# Altium PCB RMP_MAIN_SINGLE.PcbDoc
Units mil, origin at the board's own origin, x right, y up, seen from the top; angles counter-clockwise.
Board outline 6354.55 x 2700 mil, 2 copper layers (Top Layer, Bottom Layer); 110 components, 0 nets, 446 pads, 68 vias.
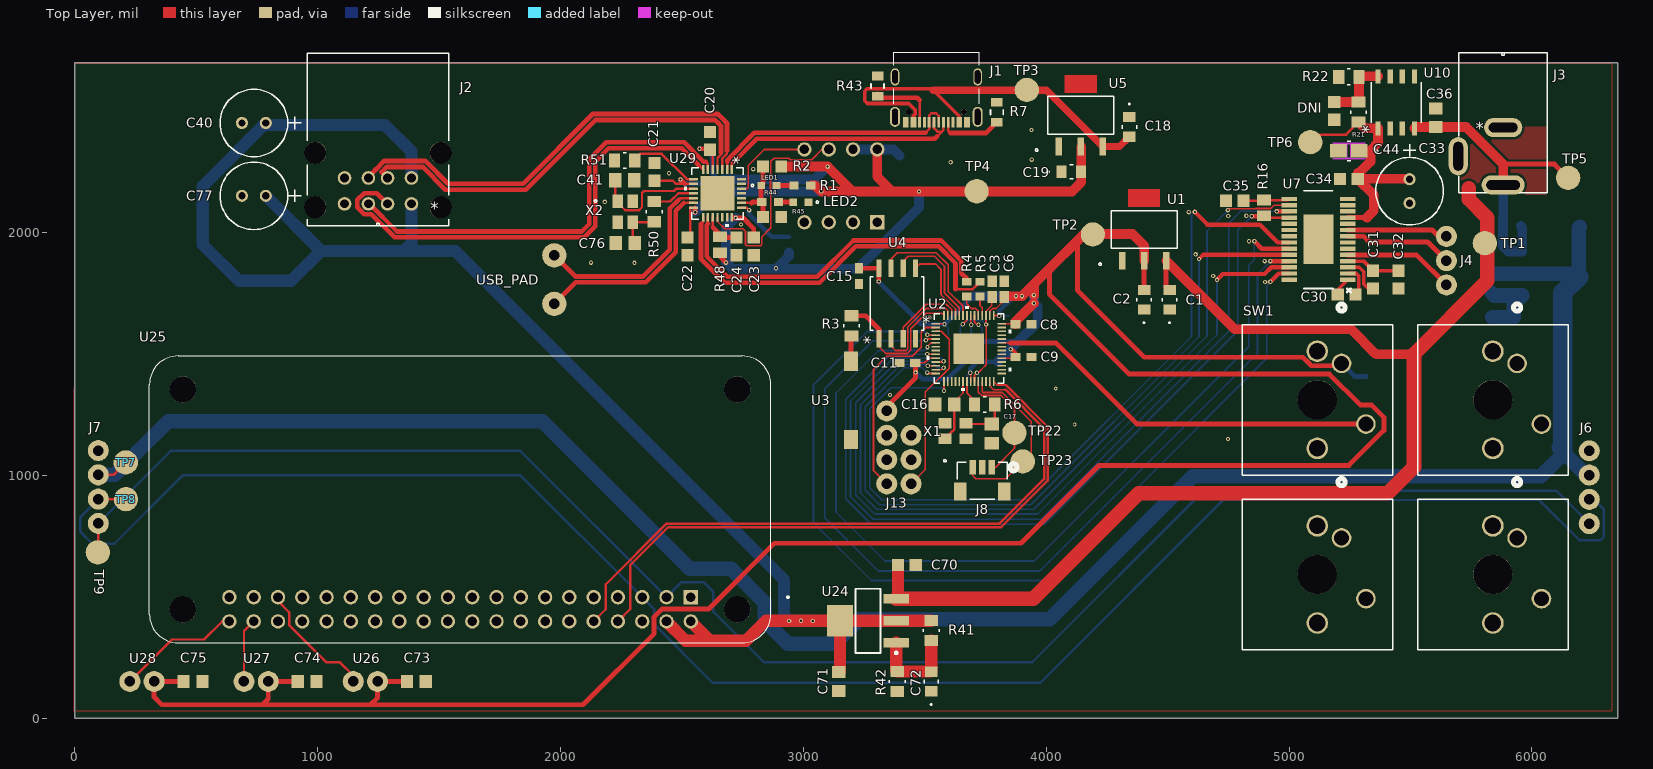
[diagram p0: Top Layer view]
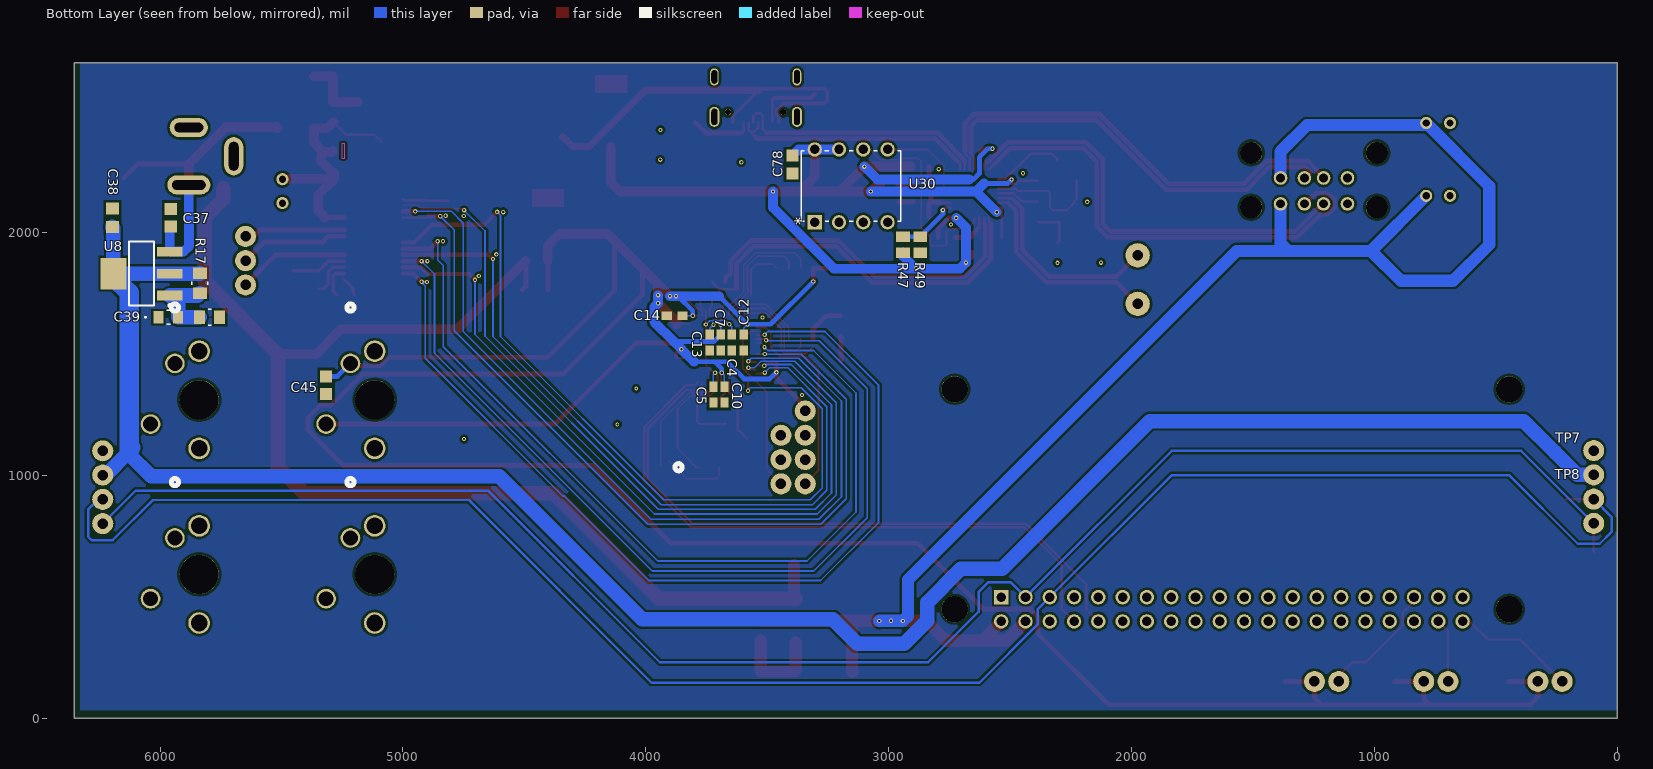
[diagram p1: Bottom Layer view, seen from below]

## Layer stack, top to bottom
Top Solder: solder mask 0.4, Solder Resist, Dk 3.5
Top Layer: signal copper 1.4
Dielectric 1: dielectric 12.6, FR-4, Dk 4.8
Bottom Layer: signal copper 1.4
Bottom Solder: solder mask 0.4, Solder Resist, Dk 3.5

## Board outline
0,0 6354.55,0 6354.55,2700 0,2700

## Design rules (kind name [scope] priority, off if disabled: settings)
Clearance [All] p1: gap=10 ignorepadtopadclearanceinfootprint=FALSE
PolygonConnect [All] p1: connectstyle=Relief reliefconductorwidth=10 reliefentries=4 polygonreliefangle="90 Angle" airgapwidth=10
RoutingVias [All] p1: holewidth=28 width=50 viastyle="Through Hole" minholewidth=28 minwidth=50 maxholewidth=28 maxwidth=50
SolderMaskExpansion [All] p1: expansion=4 istentingtop=FALSE
Width [All] p1: maxlimit=10 minlimit=10 preferedwidth=10
30 further rules are at their usual default settings.

## Components (designator, comment, footprint, x,y, rotation, side; value= is the part's Value field where it differs from the comment)
C1 "GRM21BR61C106KE15K" G-21_MUR-M 4508.27,1724.33 r90 top value="10u F"
C2 "GRM21BR61C106KE15K" G-21_MUR-M 4403.27,1724.33 r90 top value="10u F"
C3 "C0603C105K4RACTU" CAPC17595_90N_KEM-M 3777.27,1768.45 r270 top value=1uF
C4 "CC0603KRX7R7BB104" CC0603N_YAG-M 3646.27,1548.33 r90 bottom value=100nF
C5 "CC0603KRX7R7BB104" CC0603N_YAG-M 3721.27,1333.33 r90 bottom value=100nF
C6 "C0603C105K4RACTU" CAPC17595_90N_KEM-M 3827.27,1768.45 r90 top value=1uF
C7 "CC0603KRX7R7BB104" CC0603N_YAG-M 3691.27,1548.33 r90 bottom value=100nF
C8 "CC0603KRX7R7BB104" CC0603N_YAG-M 3906.27,1623.33 r180 top value=100nF
C9 "CC0603KRX7R7BB104" CC0603N_YAG-M 3906.27,1488.33 r180 top value=100nF
C10 "CC0603KRX7R7BB104" CC0603N_YAG-M 3676.27,1333.33 r90 bottom value=100nF
C11 "CC0603KRX7R7BB104" CC0603N_YAG-M 3428.27,1464.33 r0 top value=100nF
C12 "CC0603KRX7R7BB104" CC0603N_YAG-M 3596.27,1548.33 r90 bottom value=100nF
C13 "CC0603KRX7R7BB104" CC0603N_YAG-M 3736.27,1548.33 r90 bottom value=100nF
C14 "CC0603KRX7R7BB104" CC0603N_YAG-M 3881.27,1658.33 r180 bottom value=100nF
C15 "CC0603KRX7R7BB104" CC0603N_YAG-M 3229.27,1821.33 r90 top value=100nF
C16 "CC0805FRNPO9BN150" CAP_CC0805_YAG-M 3581.27,1293.33 r0 top value=15pF
C17 "CC0805FRNPO9BN150" CAP_CC0805_YAG-M 3776.27,1173.33 r270 top value=15pF
C18 "GRM21BR61C106KE15K" G-21_MUR-M 4342.27,2436.33 r270 top value="10u F"
C19 "GRM21BR61C106KE15K" G-21_MUR-M 4103.27,2251.33 r0 top value="10u F"
C20 "CC0805KRX7R9BB104" CC0805N_YAG-M 2615.27,2378.33 r90 top value="0.1u F"
C21 "CC0805KRX7R9BB104" CC0805N_YAG-M 2387.33,2250.76 r90 top value="0.1u F"
C22 "CC0805KRX7R9BB104" CC0805N_YAG-M 2523.27,1944.33 r270 top value="0.1u F"
C23 "CC0805KRX7R9BB104" CC0805N_YAG-M 2795.46,1944.06 r270 top value="0.1u F"
C24 "CC0805KRX7R9BB104" CC0805N_YAG-M 2724.56,1944.06 r90 top value=0.1uF
C30 "CC0805KRX7R9BB153" CC0805N_YAG-M 5237.27,1745.33 r180 top value="0.015u F"
C31 "CC0805KRX7R9BB104" CC0805N_YAG-M 5346.27,1807.33 r270 top value="0.1u F"
C32 "CC0805KRX7R9BB104" CC0805N_YAG-M 5451.27,1807.33 r90 top value="0.1u F"
C33 "35YXJ100M6.3X11" CAP_YX_6P3X11_RUB 5496.27,2220.75 r270 top value="100u F"
C34 "CC0805KRX7R9BB104" CC0805N_YAG-M 5246.27,2222.33 r0 top value="0.1u F"
C35 "CC0805KKX7R8BB474" CC0805N_YAG-M 4776.27,2132.33 r0 top value="0.47u F"
C36 "CL21B105KAFNNNE" CAP_CL21B105KAFNNNE_SAM-M 5603.52,2474.04 r270 top value="1u F"
C37 "CC0805KRX7R9BB104" CC0805N_YAG-M 5956.27,2062.33 r270 bottom value=0.1uF
C38 "CL21B105KAFNNNE" CAP_CL21B105KAFNNNE_SAM-M 6196.27,2062.33 r270 bottom value="1u F"
C39 "GRM21BR61C106KE15K" G-21_MUR-M 5966.27,1652.33 r180 bottom value="10u F"
C40 "35YXJ100M6.3X11" CAP_YX_6P3X11_RUB 786.27,2452.33 r180 top value=100uF
C41 "CC0805FRNPO9BN150" CAP_CC0805_YAG-M 2264.21,2217.08 r180 top value=15pF
C44 "TAJA475K016RNJ" TAJA_AVX-M 5246.27,2337.33 r180 top value=4.7uF
C45 "CC0805KRX7R9BB104" CC0805N_YAG-M 5316.27,1372.33 r90 bottom value=0.1uF
C70 "CC0805KRX7R9BB104" CC0805N_YAG-M 3426.27,632.33 r180 top value=0.1uF
C71 "CL21B105KAFNNNE" CAP_CL21B105KAFNNNE_SAM-M 3146.27,152.33 r90 top value="1u F"
C72 "GRM21BR61C106KE15K" G-21_MUR-M 3526.27,152.33 r90 top value="10u F"
C73 "CL21B105KAFNNNE" CAP_CL21B105KAFNNNE_SAM-M 1406.27,152.33 r0 top value="1u F"
C74 "CL21B105KAFNNNE" CAP_CL21B105KAFNNNE_SAM-M 956.27,152.33 r0 top value="1u F"
C75 "CL21B105KAFNNNE" CAP_CL21B105KAFNNNE_SAM-M 486.27,152.33 r0 top value="1u F"
C76 "CC0805FRNPO9BN150" CAP_CC0805_YAG-M 2265.99,1958.02 r180 top value=15pF
C77 "35YXJ100M6.3X11" CAP_YX_6P3X11_RUB 786.27,2152.33 r180 top value=100uF
C78 "CC0805KRX7R9BB104" CC0805N_YAG-M 3396.27,2281.33 r270 bottom value=0.1uF
DNI "CC0805KRX7R9BB104" CC0805N_YAG-M 5186.27,2502.33 r90 top value=0.1uF
J1 "12402012E212A" AMPHENOL_12402012E212A 3547.49,2642.21 r180 top
J2 "AU-Y1008-2" CONN_AU-Y1008-2_ASM 1385.94,2119.19 r180 top
J3 "PJ-002B" PJ-002B_CUI 5881.77,2197.26 r0 top
J4 "MOTOR_HEADER" 3PINHEADER 5648.27,1785.33 r180 top
J6 "I2C_BUS_PINS" "4 PIN HEADER" 6236.27,1102.33 r0 top
J7 "I2C_BUS_PINS" "4 PIN HEADER" 96.27,1103.33 r0 top
J8 "BM03B-SRSS-TBLFSN" CONN_BM03B-SRSS-TBLFSN_JST 3736.27,978.33 r0 top
J13 "Mag_encoder_header" 8PinHeader 3343.27,1266.33 r0 top
LED1 "B1931NG--20D001114U1930" LED_B1931NG_HVK 2857.58,2195.31 r0 top
LED2 "B1931NG--20D001114U1930" LED_B1931NG_HVK 2989.7,2126.37 r180 top
R1 "RC0603FR-07169RL" RC0603N_YAG-M 2995.7,2195.31 r180 top
R2 "RC0805FR-07100KL" RC0805N_YAG-M 2871.15,2272.77 r0 top value="100K ohm"
R3 "RNCF0805DTE1K00" RES_RNCF0805_STP-M 3198.06,1617.06 r90 top value="1k ohm"
R4 "MCT06030C2742FP500" RESC1508X55N 3672.27,1768.45 r90 top value="27.4k ohm"
R5 "MCT06030C2742FP500" RESC1508X55N 3727.27,1768.45 r90 top value="27.4k ohm"
R6 "RNCF0805DTE1K00" RES_RNCF0805_STP-M 3746.27,1293.33 r180 top value="1k ohm"
R7 "RT0805FRE075K1L" FP-RT0805-MFG 3796.27,2496.33 r90 top value=5.1KΩ
R16 "RNCP0805FTD10K0" STA_RNCP0805_STP-M 4896.27,2102.33 r270 top value="10k ohm"
R17 "RNCF0805DTE120R" RES_RNCF0805_STP-M 5836.27,1792.33 r90 bottom value="120 ohm"
R18 "RNCF0805DTE360R" RES_RNCF0805_STP-M 5796.27,1652.33 r0 bottom value="360 ohm"
R21 "RNCF0805DTE1K00" RES_RNCF0805_STP-M 5286.27,2497.33 r270 top value="1k ohm"
R22 "RNCF0805DTE5K60" RES_RNCF0805_STP-M 5246.27,2642.33 r0 top value="5.6k ohm"
R41 "RNCF0805DTE120R" RES_RNCF0805_STP-M 3526.27,362.33 r90 top value="120 ohm"
R42 "RNCF0805DTE360R" RES_RNCF0805_STP-M 3386.27,152.33 r90 top value="360 ohm"
R43 "RT0805FRE075K1L" FP-RT0805-MFG 3305.27,2604.33 r90 top value=5.1KΩ
R44 "RC0603FR-07169RL" RC0603N_YAG-M 2863.15,2127.38 r0 top
R45 "RC0805FR-07100KL" RC0805N_YAG-M 2871.15,2065.94 r180 top value="100K ohm"
R47 "RNCP0805FTD10K0" STA_RNCP0805_STP-M 2940.76,1951.06 r270 bottom value="10k ohm"
R48 "RNCP0805FTD10K0" STA_RNCP0805_STP-M 2657.16,1951.06 r270 top value="10k ohm"
R49 "RNCP0805FTD10K0" STA_RNCP0805_STP-M 2869.86,1951.06 r90 bottom value=DNI
R50 "RNCF0805DTE1K00" RES_RNCF0805_STP-M 2385.61,2087.37 r270 top value="1k ohm"
R51 "RLC73K2AR649FTD" RES_RNCF0805_STP-M 2264.21,2298.03 r0 top value="649 ohm"
SW1 "mx_switches_knob" KNOB_SWITCHES 5116.27,1312.33 r270 top
TP1 "TestPoint" TESTPOINT#1 5806.27,1957.33 r0 top
TP2 "TestPoint" TESTPOINT#1 4192.27,1993.33 r0 top
TP3 "TestPoint" TESTPOINT#1 3920.27,2588.33 r0 top
TP4 "TestPoint" TESTPOINT#1 3713.27,2171.33 r0 top
TP5 "TestPoint" TESTPOINT#1 6149.27,2226.33 r0 top
TP6 "TestPoint" TESTPOINT#1 5087.27,2373.33 r0 top
TP7 "TestPoint" TESTPOINT#2 209.27,1054.33 r180 bottom
TP8 "TestPoint" TESTPOINT#2 210.27,903.33 r180 bottom
TP9 "TestPoint" TESTPOINT#1 94.27,684.33 r270 top
TP22 "TestPoint" Testpoint 3869.27,1176.33 r90 top
TP23 "TestPoint" Testpoint 3903.27,1058.33 r90 top
U1 "NCP1117LPST33T3G" SOT223-3_ONS-M 4403.27,2014.33 r0 top
U2 "SC091413" QFN56_7X7_RPI-M 3681.27,1523.33 r0 top
U3 "PTS636SM43SMTR LFS" "PTS636SM43SMTR LFS" 3196.27,1108.96 r90 top
U4 "W25Q128JVSIQ" SOIC_128JVSIQ_WIN-M 3386.27,1708.33 r90 top
U5 "NCP1117LPST33T3G" SOT223-3_ONS-M 4142.27,2484.33 r0 top
U7 "DRV8313PWPR" PWP0028F_M 5121.19,1973.08 r180 top
U8 "LM317DCYR" DCY0004A_M 6076.27,1832.33 r0 bottom
U10 "LDL212DR" SO8B_4X5X1P27_STM 5441.27,2537.33 r90 top
U24 "LM317DCYR" DCY0004A_M 3266.27,402.33 r180 top
U25 "RASPBERRY_PI_ZERO_2_W" MODULE_RASPBERRY_PI_ZERO_2_W 1586.27,902.33 r180 top
U26 "LOW_PROFILE_SWITCH" 2PINHEADER 1246.27,152.33 r270 top
U27 "LOW_PROFILE_SWITCH" 2PINHEADER 796.27,152.33 r270 top
U28 "LOW_PROFILE_SWITCH" 2PINHEADER 326.27,152.33 r270 top
U29 "CY7C65632-28LTXC" QFN-28-M 2646.27,2162.33 r270 top
U30 "AT24C02D-PUM" PDIP8_300MC_MCH 3304.27,2043.33 r90 bottom
USB_PAD "USB_PAD" USB_PAD 1974.27,1707.33 r0 top
X1 "ABM8-272-T3" ABM8-272-T3_ABR 3626.27,1183.33 r90 top
X2 "ABM8-272-T3" ABM8-272-T3_ABR 2265.99,2087.37 r0 top

## Footprints (in the part's own frame and the unit in brackets; to place one, negate y for a bottom-side part, rotate by r counter-clockwise, add the part's x,y. Pads: shape width x height; smd on the part's side, far side on the other; paste and mask are expansions set on the pad)
2PINHEADER [mm]
  round 2.2 hole 1.1: 1(0,0) 2(0,-2.54)
3PINHEADER [mm]
  round 2.2 hole 1.1: 1(0,0) 2(0,-2.54) 3(0,-5.08)
"4 PIN HEADER" [mm]
  round 2.2 hole 1.1: 1(0,0) 2(0,-2.54) 3(0,-5.08) 4(0,-7.62)
8PinHeader [mm]
  round 2.2 hole 1.1: 1(0,0) 2(0,-2.54) 3(0,-5.08) 4(0,-7.62) 5(2.54,-7.62) 6(2.54,-5.08) 7(2.54,-2.54)
ABM8-272-T3_ABR [mm]
  rect 1.1x1.4 smd paste+0 mask+0: 1(-0.8,1.1) 2(-0.8,-1.1) 3(0.8,-1.1) 4(0.8,1.1)
  silkscreen extent -3.23,0.97 -2.97,1.23, body extent -1.35,-1.7 1.35,1.7, height 0.76
AMPHENOL_12402012E212A [mm]
  rect 0.6x1.14 smd: A1-B12(-3.2,4.75) A4-B9(-2.4,4.75) B1-A12(3.2,4.75) B4-A9(2.4,4.75)
  rect 0.3x1.14 smd: A5(-1.25,4.75) A6(-0.25,4.75) A7(0.25,4.75) A8(1.25,4.75) B5(1.75,4.75) B6(0.75,4.75) B7(-0.75,4.75) B8(-1.75,4.75)
  oval 1.05x2.1 hole 0.6 slot 1.7 at 90 deg: SH1(-4.32,4.18) SH2(4.32,4.18)
  oval 0.9x1.8 hole 0.6 slot 1.4 at 90 deg: SH3(-4.32,0) SH4(4.32,0)
  round 0.65 hole 0.65 unplated: ""(-2.89,3.68) ""(2.89,3.68)
  silkscreen extent -4.47,-2.6 4.47,2.81, body extent -4.47,-2.54 4.47,5.06, height 3.23
CAP_CC0805_YAG-M [mil]
  rect 52x59 smd paste+0 mask+0: 1(-39.31,0) 2(39.31,0)
  body extent -43,-29 43,29, height 57
CAP_CL21B105KAFNNNE_SAM-M [mil]
  rect 50x55 smd paste+0 mask+0: 1(-38.5,0) 2(38.5,0)
  body extent -41,-26 41,26, height 53
CAP_YX_6P3X11_RUB [mil]
  round 50 / inner round 60 / far side round 50 hole 30 paste-99999 mask+0: 1(0,0) 2(98.43,0)
  silkscreen extent -145,-139 188,139, body extent -85,-134 184,134, height 493
CAPC17595_90N_KEM-M [mil]
  rect 47.59x39.4 smd paste+0 mask+0: 1(-32.65,0) 2(32.65,0)
  body extent -34,-19 34,19, height 35
CC0603N_YAG-M [mil]
  rect 42x34 smd paste+0 mask+0: 1(-32.5,0) 2(32.5,0)
  body extent -31,-16 31,16, height 28
CC0805N_YAG-M [mil]
  rect 50x50 smd paste+0 mask+0: 1(-36.5,0) 2(36.5,0)
  body extent -39,-24 39,24, height 28
CONN_AU-Y1008-2_ASM [mil]
  round 56 / inner round 60 / far side round 56 hole 36 paste-99999 mask+0: 1(0,0) 2(98.43,0) 3(177.17,0) 4(275.59,0) 5(0,-106.69) 6(98.43,-106.69) 7(177.17,-106.69) 8(275.59,-106.69)
  round 91 / inner round 60 / far side round 91 hole 91 unplated paste-99999 mask-45.5: 9(-120.87,-209.84) 10(396.46,-209.84) 11(-120.87,13.78) 12(396.46,13.78)
  silkscreen extent -153,-621 428,90, body extent -165,-616 441,73, height 636
CONN_BM03B-SRSS-TBLFSN_JST [mil]
  rect 26x61 smd paste+0 mask+0: 1(39.37,56.24) 2(0,56.24) 3(-39.37,56.24)
  rect 51x75 smd paste-37.5 mask-37.5: 4(-90.55,-43.17) 5(90.55,-43.17)
  silkscreen extent -104,-76 144,76, body extent -98,-71 98,71, height 167
DCY0004A_M [mm]
  rect 2.7x1 smd paste-0.102 mask+0.051: 1(-2.95,2.3) 2(-2.95,0) 3(-2.95,-2.3)
  rect 2.7x3.3 smd paste-0.102 mask+0.051: 4(2.95,0)
  silkscreen extent -3.07,-3.35 1.3,3.47, body extent -3.5,-3.25 3.5,3.25, height 1.68
FP-RT0805-MFG [mm]
  rect 0.9x1.2 smd paste+0 mask+0: 1(-1.05,0) 2(1.05,0)
  silkscreen extent -0.23,-0.67 0.23,0.67, body extent -1.6,-0.77 1.6,0.77, height 0.25
G-21_MUR-M [mil]
  rect 42x51 smd paste+0 mask+0: 1(-40.5,0) 2(40.5,0)
  silkscreen extent -97,-30 7,30, body extent -39,-24 39,24, height 57
KNOB_SWITCHES [mil]
  round 81 / inner round 60 / far side round 81 hole 61 paste-99999 mask+0: 1(-150,100) 2(100,200) ""(-150,823) ""(100,923) ""(569,823) ""(569,100) ""(819,923) ""(819,200)
  round 161 / inner round 60 / far side round 161 hole 161 unplated paste-99999 mask-80.5: 3(0,0) ""(0,723) ""(719,723) ""(719,0)
  round 89 / inner round 60 / far side round 89 hole 69 paste-99999 mask-44.5: 4(-200,0) 5(200,0) ""(-200,723) ""(200,723) ""(519,723) ""(519,0) ""(919,723) ""(919,0)
  silkscreen extent -395,-310 1029,1033, body extent -275,-308 994,1029, height 604
LED_B1931NG_HVK [mil]
  rect 32x30 smd paste+0 mask+0: 1(-31.5,0) 2(31.5,0)
  silkscreen extent -72,-5 -62,5, body extent -31,-16 31,16, height 16
MODULE_RASPBERRY_PI_ZERO_2_W [mm]
  rect 1.508x1.508 / inner round 1.508 / far side rect 1.508x1.508 hole 1: 1(-24.13,10.23)
  round 1.508 hole 1: 2(-24.13,12.77) 3(-21.59,10.23) 4(-21.59,12.77) 5(-19.05,10.23) 6(-19.05,12.77) 7(-16.51,10.23) 8(-16.51,12.77) 9(-13.97,10.23) 10(-13.97,12.77) 11(-11.43,10.23) 12(-11.43,12.77) 13(-8.89,10.23) 14(-8.89,12.77) 15(-6.35,10.23) 16(-6.35,12.77) 17(-3.81,10.23) 18(-3.81,12.77) 19(-1.27,10.23) 20(-1.27,12.77) 21(1.27,10.23) 22(1.27,12.77) 23(3.81,10.23) 24(3.81,12.77) 25(6.35,10.23) 26(6.35,12.77) 27(8.89,10.23) 28(8.89,12.77) 29(11.43,10.23) 30(11.43,12.77) 31(13.97,10.23) 32(13.97,12.77) 33(16.51,10.23) 34(16.51,12.77) 35(19.05,10.23) 36(19.05,12.77) 37(21.59,10.23) 38(21.59,12.77) 39(24.13,10.23) 40(24.13,12.77)
  round 2.75 hole 2.75 unplated: ""(-29,-11.5) ""(-29,11.5) ""(29,-11.5) ""(29,11.5)
  silkscreen extent -34.39,-15 32.5,15
PDIP8_300MC_MCH [mil]
  rect 59x59 / inner round 60 / far side rect 59x59 hole 39 paste-99999 mask+0: 1(0,0)
  round 59 / inner round 60 / far side round 59 hole 39 paste-99999 mask+0: 2(0,-100) 3(0,-200) 4(0,-300) 5(300,-300) 6(300,-200) 7(300,-100) 8(300,0)
  silkscreen extent 5,-355 295,55, body extent -5,-350 315,50, height 215
PJ-002B_CUI [mm]
  oval 4.5x2 hole 1 slot 3.5 at 0 deg paste-2539.97 mask+0: 1(0,0)
  oval 4x2 hole 1 slot 3 at 0 deg paste-2539.97 mask+0: 2(0,6)
  oval 2x4 hole 1 slot 3 at 90 deg paste-2539.97 mask+0: 3(-4.7,3)
  silkscreen extent -4.62,-0.83 4.62,13.83, body extent -4.9,-0.7 4.5,13.7, height 11.01
"PTS636SM43SMTR LFS" [mm] "SWITCH TACTILE SPST-NO 0.05A 12V"
  rect 2x1.5 smd: 1(1,0) 2(9.2,0)
  body extent 0.8,-1.75 9.4,1.75, height 4.3
PWP0028F_M [mm]
  rect 1.6x0.45 smd paste+0 mask+0.051: 1(-3.05,4.225) 2(-3.05,3.575) 3(-3.05,2.925) 4(-3.05,2.275) 5(-3.05,1.625) 6(-3.05,0.975) 7(-3.05,0.325) 8(-3.05,-0.325) 9(-3.05,-0.975) 10(-3.05,-1.625) 11(-3.05,-2.275) 12(-3.05,-2.925) 13(-3.05,-3.575) 14(-3.05,-4.225) 15(3.05,-4.225) 16(3.05,-3.575) 17(3.05,-2.925) 18(3.05,-2.275) 19(3.05,-1.625) 20(3.05,-0.975) 21(3.05,-0.325) 22(3.05,0.325) 23(3.05,0.975) 24(3.05,1.625) 25(3.05,2.275) 26(3.05,2.925) 27(3.05,3.575) 28(3.05,4.225)
  rect 3.1x5.18 smd paste+0 mask+0.051: 29(0,0)
  silkscreen extent -3.37,-5.08 1.52,5.52, body extent -3.2,-4.85 3.2,4.85, height 1.13
QFN56_7X7_RPI-M [mil]
  rect 36x7 smd paste+0 mask+0: 1(-136,102.36) 2(-136,86.61) 3(-136,70.87) 4(-136,55.12) 5(-136,39.37) 6(-136,23.62) 7(-136,7.87) 8(-136,-7.87) 9(-136,-23.62) 10(-136,-39.37) 11(-136,-55.12) 12(-136,-70.87) 13(-136,-86.61) 14(-136,-102.36) 29(136,-102.36) 30(136,-86.61) 31(136,-70.87) 32(136,-55.12) 33(136,-39.37) 34(136,-23.62) 35(136,-7.87) 36(136,7.87) 37(136,23.62) 38(136,39.37) 39(136,55.12) 40(136,70.87) 41(136,86.61) 42(136,102.36)
  rect 7x36 smd paste+0 mask+0: 15(-102.36,-136) 16(-86.61,-136) 17(-70.87,-136) 18(-55.12,-136) 19(-39.37,-136) 20(-23.62,-136) 21(-7.87,-136) 22(7.87,-136) 23(23.62,-136) 24(39.37,-136) 25(55.12,-136) 26(70.87,-136) 27(86.61,-136) 28(102.36,-136) 43(102.36,136) 44(86.61,136) 45(70.87,136) 46(55.12,136) 47(39.37,136) 48(23.62,136) 49(7.87,136) 50(-7.87,136) 51(-23.62,136) 52(-39.37,136) 53(-55.12,136) 54(-70.87,136) 55(-86.61,136) 56(-102.36,136)
  rect 126x126 smd paste-63 mask+0: 57(0,0)
  silkscreen extent -174,-174 174,174, body extent -138,-138 138,138, height 35
QFN-28-M [mil]
  rect 36x10 smd paste+0 mask+0: 1(-98.5,59.06) 2(-98.5,39.37) 3(-98.5,19.68) 4(-98.5,0) 5(-98.5,-19.68) 6(-98.5,-39.37) 7(-98.5,-59.06) 15(98.5,-59.06) 16(98.5,-39.37) 17(98.5,-19.68) 18(98.5,0) 19(98.5,19.68) 20(98.5,39.37) 21(98.5,59.06)
  rect 10x36 smd paste+0 mask+0: 8(-59.06,-98.5) 9(-39.37,-98.5) 10(-19.68,-98.5) 11(0,-98.5) 12(19.68,-98.5) 13(39.37,-98.5) 14(59.06,-98.5) 22(59.06,98.5) 23(39.37,98.5) 24(19.68,98.5) 25(0,98.5) 26(-19.68,98.5) 27(-39.37,98.5) 28(-59.06,98.5)
  rect 142x142 smd paste-71 mask+0: 29(0,0)
  silkscreen extent -106,-136 136,106, body extent -101,-101 101,101, height 32
RC0603N_YAG-M [mil]
  rect 38x34 smd paste+0 mask+0: 1(-34.5,0) 2(34.5,0)
  body extent -31,-16 31,16, height 28
RC0805N_YAG-M [mil]
  rect 48x49 smd paste+0 mask+0: 1(-37.5,0) 2(37.5,0)
  body extent -39,-24 39,24, height 28
RES_RNCF0805_STP-M [mil]
  rect 46x57 smd paste+0 mask+0: 1(-41.5,0) 2(41.5,0)
  silkscreen extent -6,-32 6,32, body extent -43,-27 43,27, height 26
RESC1508X55N [mm]
  rect 0.81x0.98 smd: 1(-0.771,0) 2(0.771,0)
  body extent -0.77,-0.41 0.77,0.44, height 0.45
SO8B_4X5X1P27_STM [mil]
  rect 57.5x22 smd paste+0 mask+0: 1(-107.25,75) 2(-107.25,25) 3(-107.25,-25) 4(-107.25,-75) 5(107.25,-75) 6(107.25,-25) 7(107.25,25) 8(107.25,75)
  silkscreen extent -84,-104 84,104, body extent -122,-99 122,99, height 69
SOIC_128JVSIQ_WIN-M [mil]
  rect 72x21 smd paste+0 mask+0: 1(-145.5,75) 2(-145.5,25) 3(-145.5,-25) 4(-145.5,-75) 5(145.5,-75) 6(145.5,-25) 7(145.5,25) 8(145.5,75)
  silkscreen extent -110,-110 110,110, body extent -159,-105 159,105, height 85
SOT223-3_ONS-M [mil]
  rect 26x73 smd paste+0 mask+0: 1(-90.5,-129) 2(0,-129) 3(90.5,-129)
  Top Layer region: 65,92.5 65,165.5 -65,165.5 -65,92.5
  silkscreen extent -186,-148 136,78, body extent -131,-144 131,144, height 68
STA_RNCP0805_STP-M [mil]
  rect 44x57 smd paste+0 mask+0: 1(-32.5,0) 2(32.5,0)
  body extent -43,-27 43,27, height 24
TAJA_AVX-M [mil]
  rect 68.44x55 smd paste+0 mask+0: 1(-42.78,0) 2(42.78,0)
  Top Layer keep-out region: -6.56,-29.5 -6.56,29.5 6.56,29.5 6.56,-29.5
  Top Layer keep-out region: -65,29.5 -65,33.5 65,33.5 65,29.5
  Top Layer keep-out region: -65,-33.5 -65,-29.5 65,-29.5 65,-33.5
  Keep-Out Layer region: -6.56,-29.5 -6.56,29.5 6.56,29.5 6.56,-29.5
  silkscreen extent -120,-40 7,40, body extent -67,-36 67,36, height 73
TESTPOINT#1 [mil]
  round 100 smd: 1(0,0)
TESTPOINT#2 [mil]
  round 100 smd far side: 1(0,0)
Testpoint [mil]
  round 100 smd: 1(0,0)
USB_PAD [mil]
  round 100 hole 43: 1(0,0) 2(0,200)
